# Altium PCB Atom-N.PcbDoc
Units mil, origin at the board's own origin, x right, y up, seen from the top; angles counter-clockwise.
Board outline 1625 x 1370 mil, 2 copper layers (Top1, Bottom2), stack 42.204 mil thick; 47 components, 68 nets, 306 pads, 283 vias.
Unrouted connection lines stored in the file: 72.
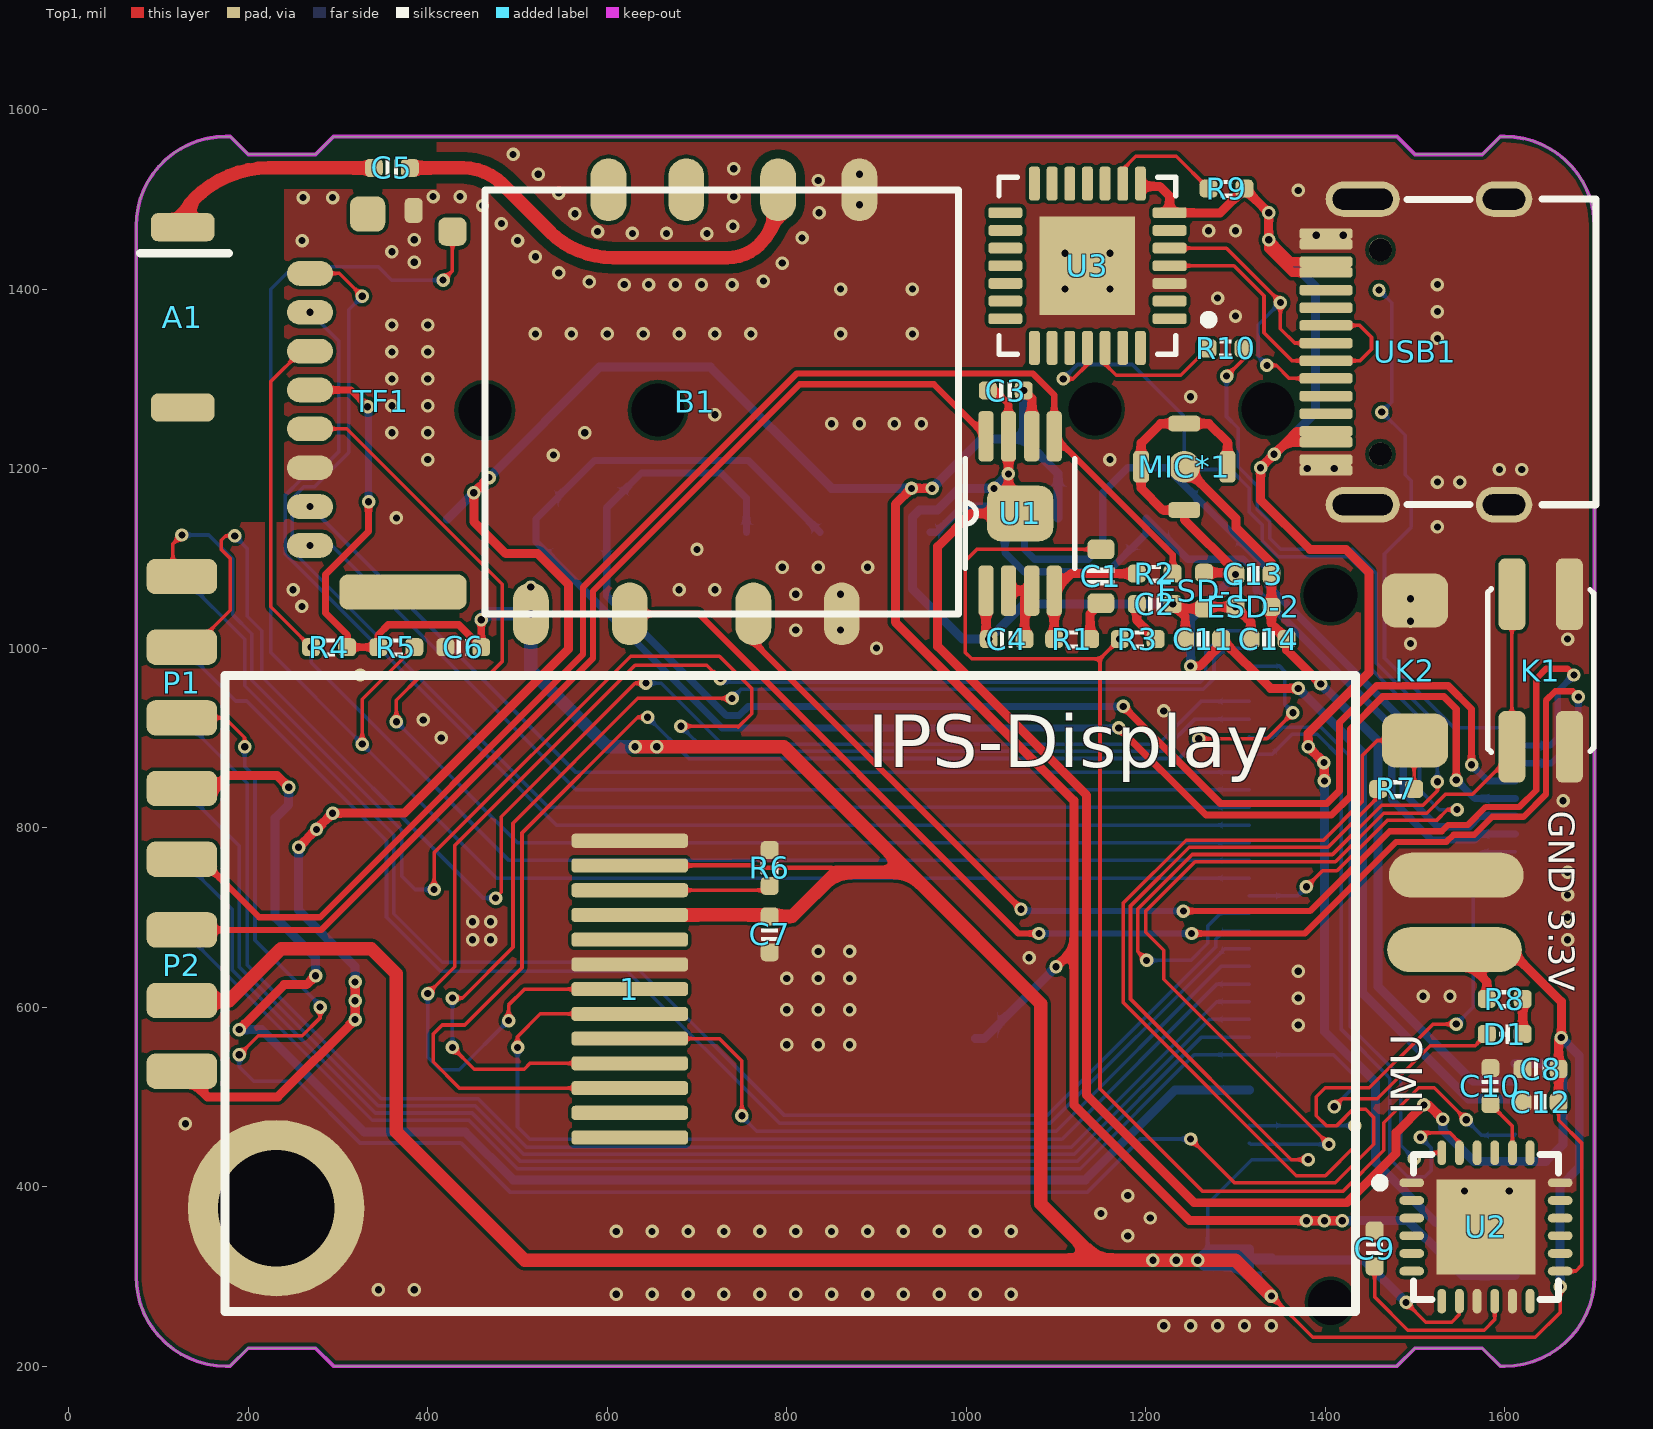
[diagram p0: Top1 view]
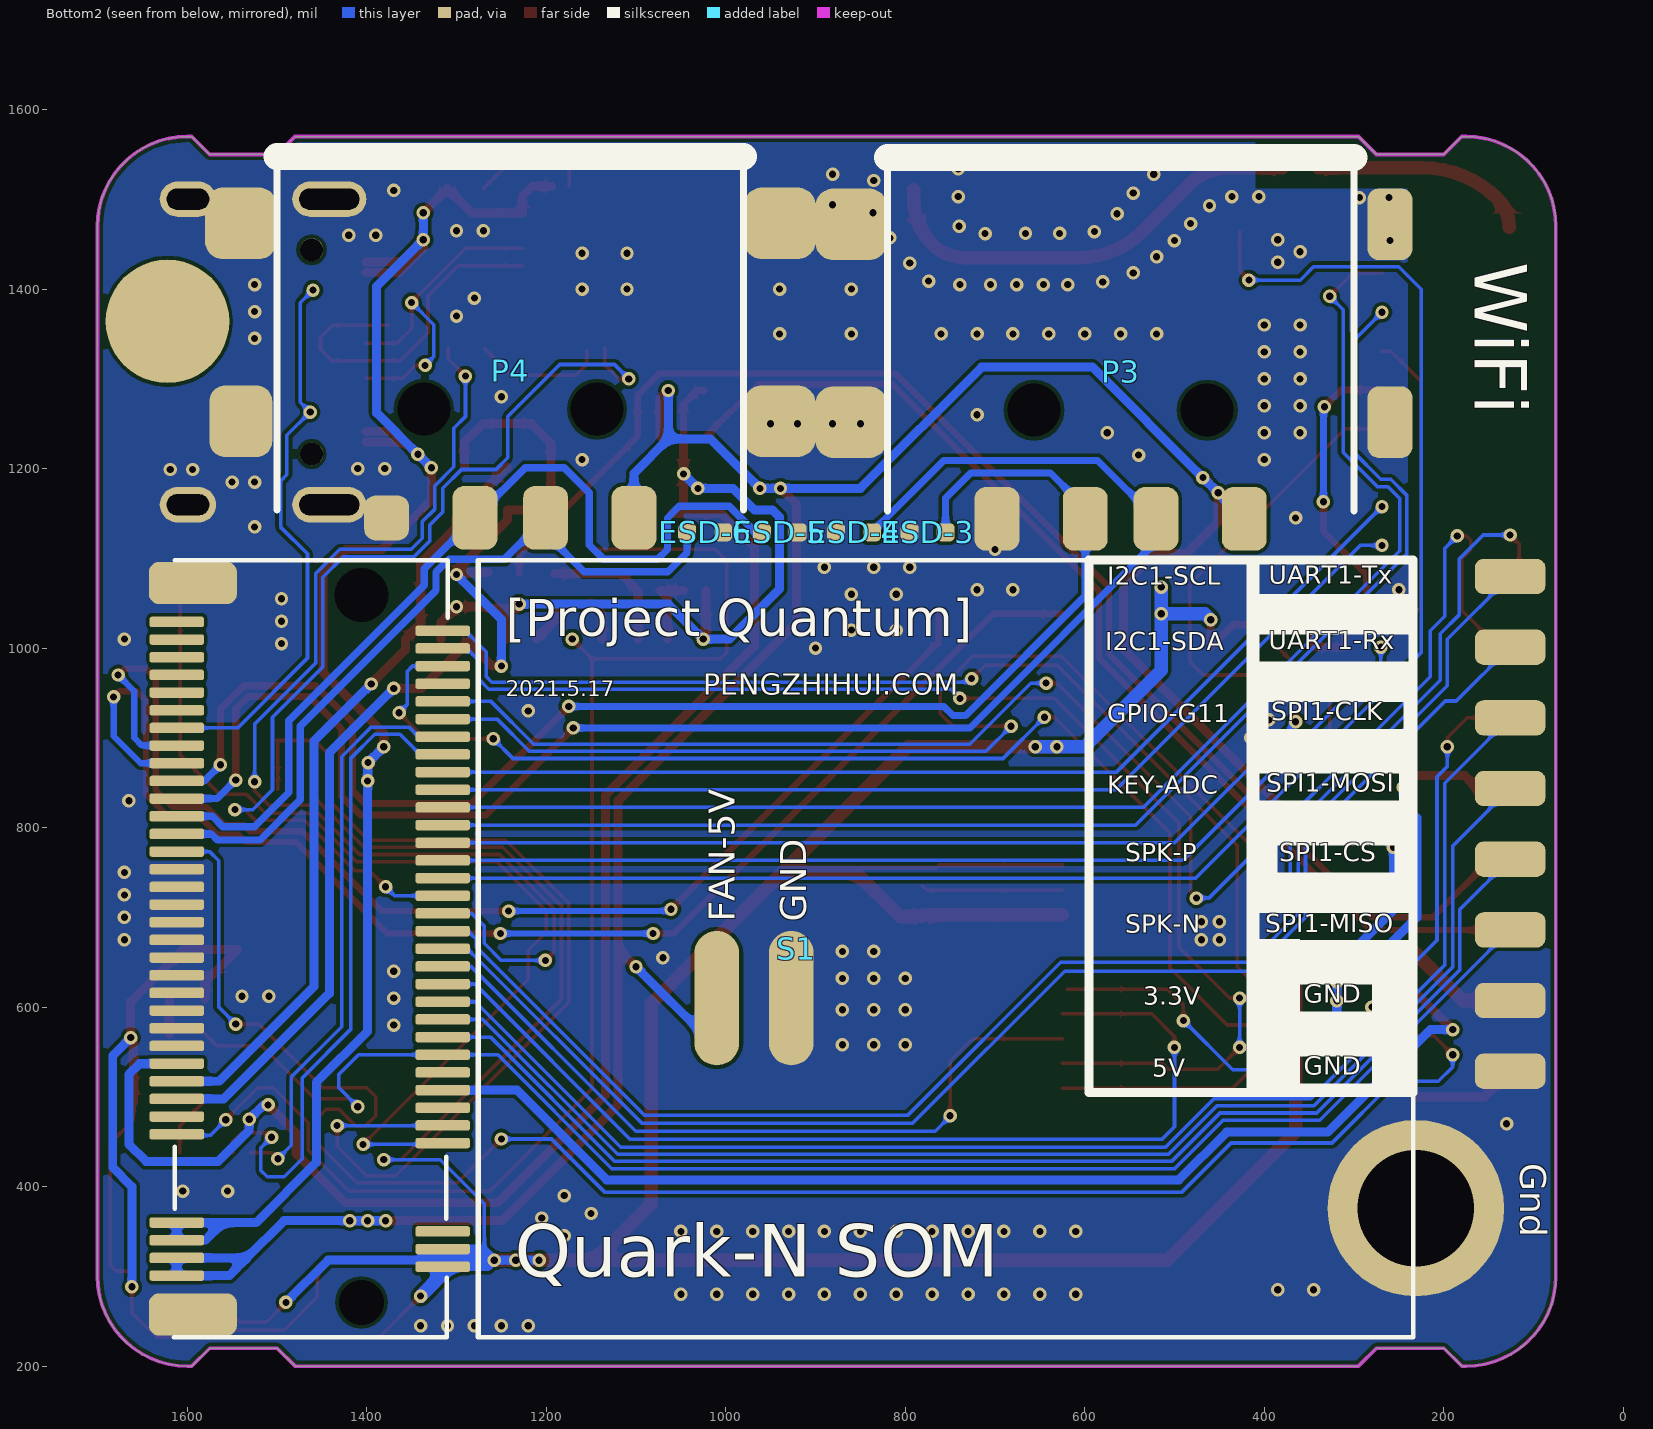
[diagram p1: Bottom2 view, seen from below]
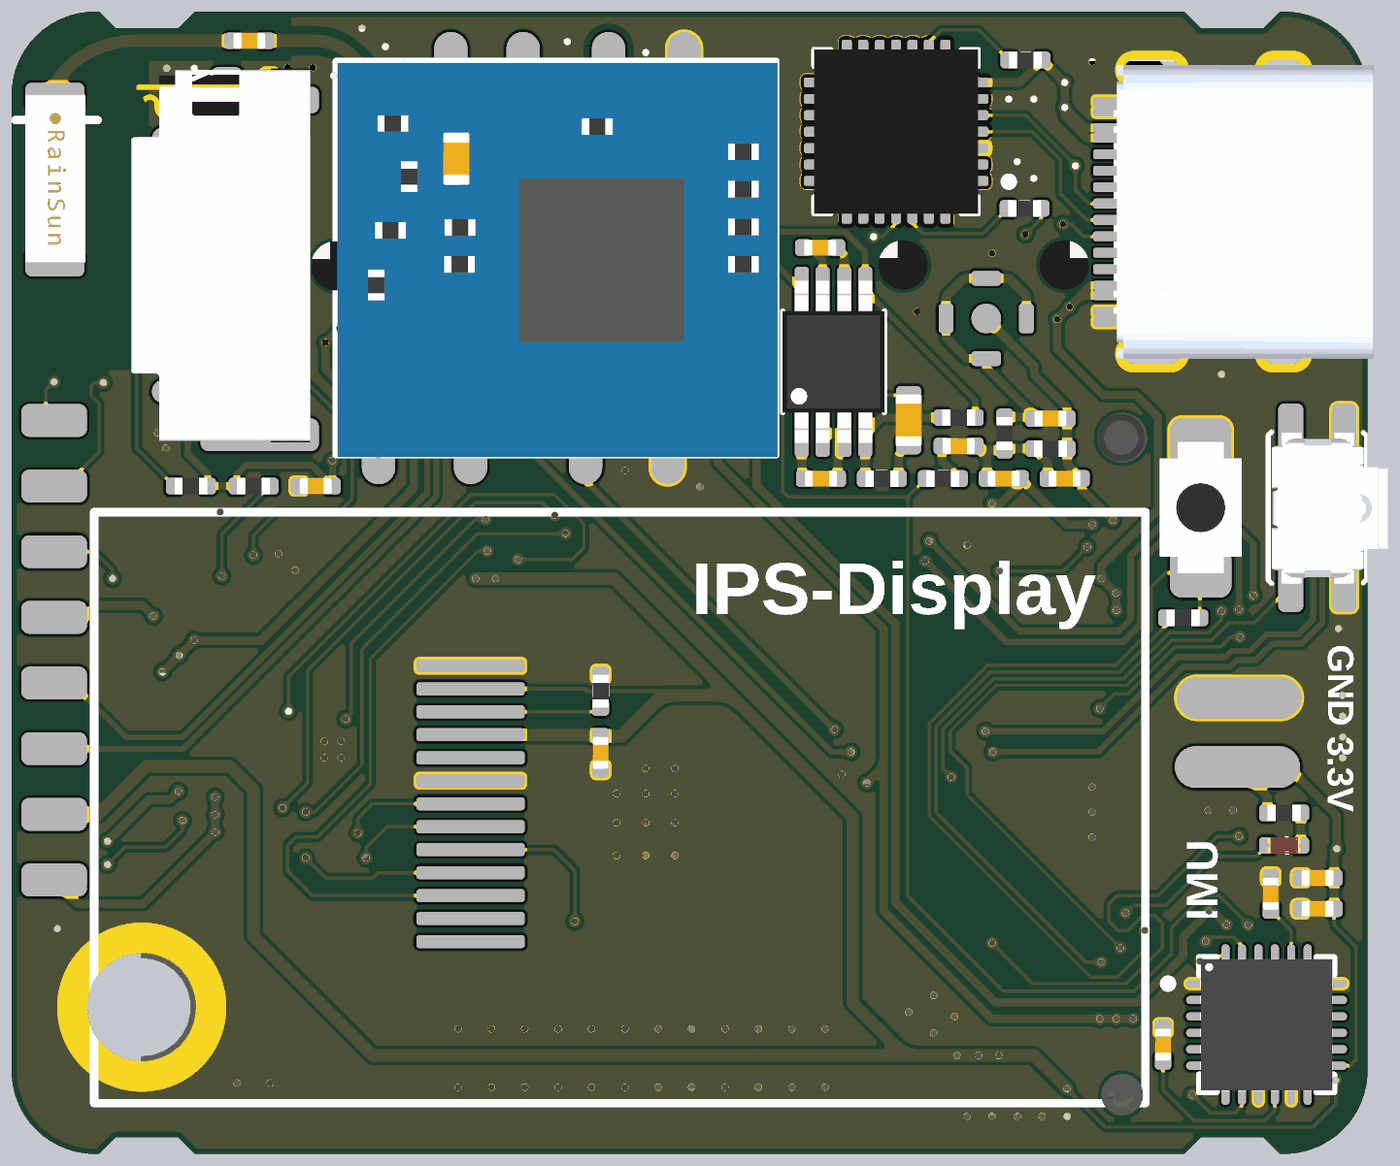
[diagram p2: 3D render of the assembled board from above, using the file's embedded part models]
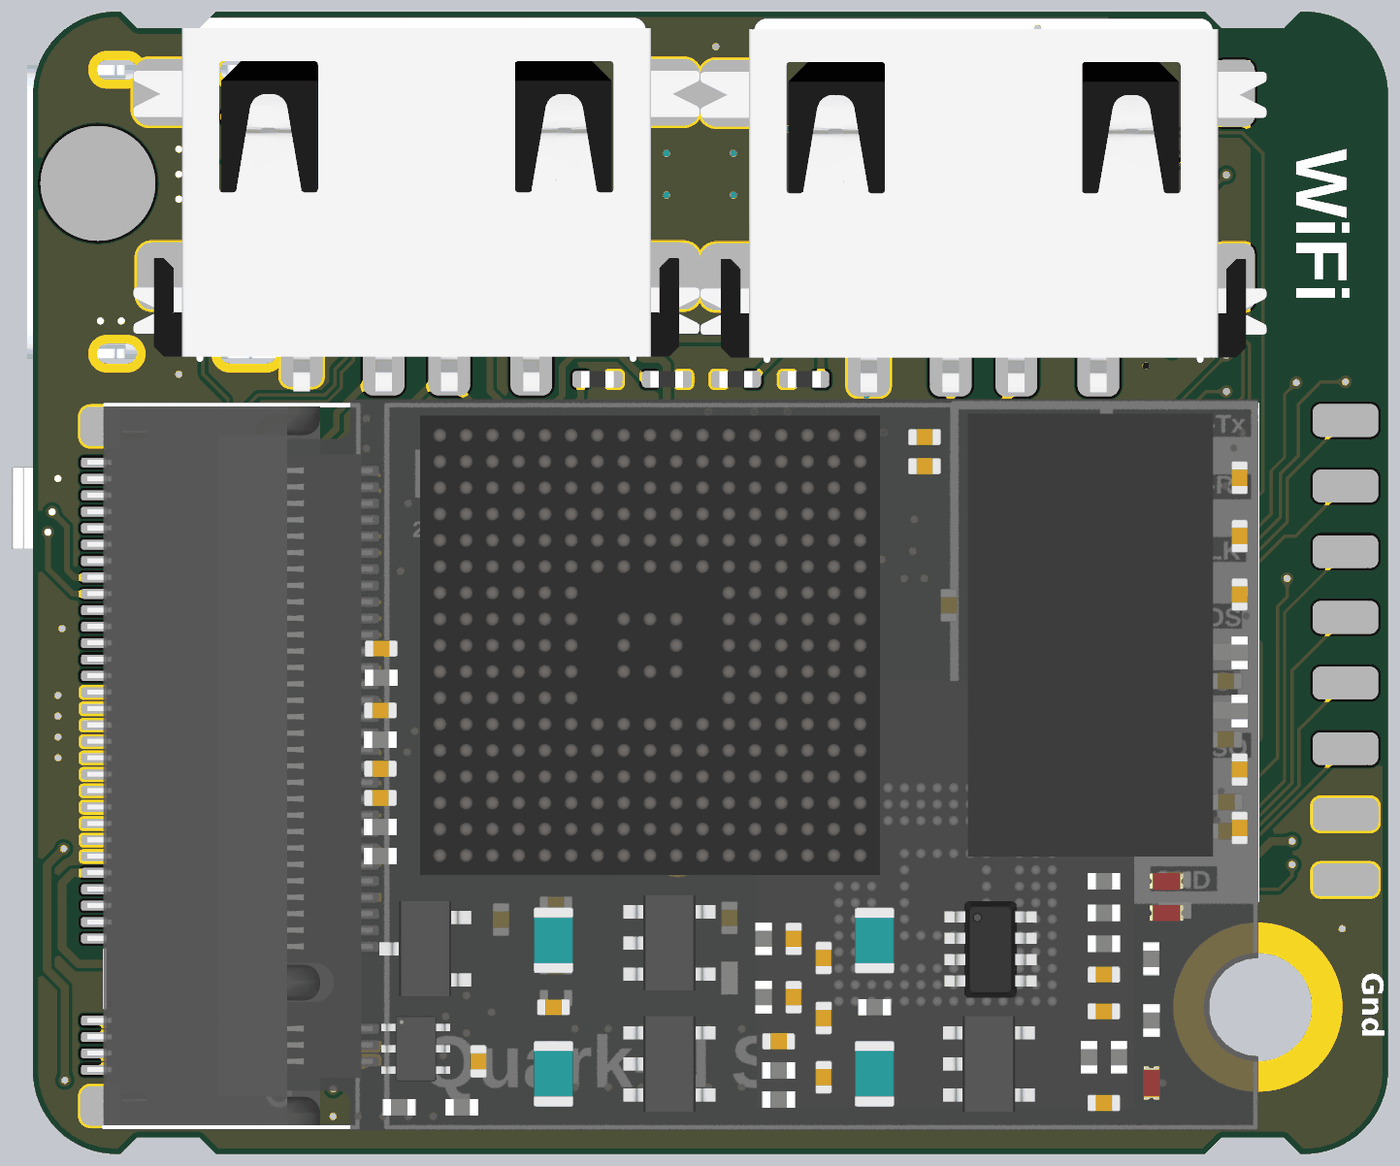
[diagram p3: 3D render of the assembled board from below, using the file's embedded part models]

## Layer stack, top to bottom
Top Solder: solder mask 0.3941, Solder Resist, Dk 3.5
Top1: signal copper 1.4169
Dielectric1: core 39.3701, PP-006, Dk 4.2
Bottom2: signal copper 1.4169
Bottom Solder: solder mask 0.3941, Solder Resist, Dk 3.5

## Board outline
175,200 180,200 200,220 275,220 295,200 1480,200 1500,220 1575,220 1595,200 1600,200 ccw(c1600,300) 1700,300 1700,1470 ccw(c1600,1470) 1600,1570 1595,1570 1575,1550 1500,1550 1480,1570 295,1570 275,1550 200,1550 180,1570 175,1570 ccw(c175,1470) 75,1470 75,300 ccw(c175,300)

## Design rules (kind name [scope] priority, off if disabled: settings)
Clearance Clearance_1 [InNet('NetB1_2') vs InNet('GND')] p1: gap=10 ignorepadtopadclearanceinfootprint=FALSE
Clearance [All] p2: gap=4 ignorepadtopadclearanceinfootprint=FALSE except(0: Arc-Hole Track-Hole SMDPad-Hole THPad-Hole Via-Hole Fill-Hole Poly-Hole Region-Hole Text-Hole)
ComponentClearance [All] p1: gap=0 collisioncheckmode=3 verticalgap=0 showdistances=FALSE
DiffPairsRouting [All] p1: maxlimit=9 minlimit=9 mostfreqgap=9 toplayer_minwidth=15 toplayer_maxwidth=15 toplayer_prefwidth=15 bottomlayer_minwidth=15 bottomlayer_maxwidth=15 bottomlayer_prefwidth=15 maxuncoupledlength=500
FanoutControl Fanout_BGA [All] p1: bgadir=Out bgaviamode=Centered fanoutstyle=Auto fanoutdirection=Alternating viagrid=1 // Fanout_BGA (Default Rule)
HoleSize [All] p1: absolutevalues=TRUE maxlimit=10000 minlimit=8 maxpercent=80.000 minpercent=20.000
MinimumSolderMaskSliver [All] p1 off: minsoldermaskwidth=2
PlaneClearance [All] p1: clearance=8
PlaneConnect [All] p1: planeconnectstyle=Direct reliefexpansion=20 reliefentries=4 reliefconductorwidth=10 reliefairgap=10
PolygonConnect [All] p1: connectstyle=Direct reliefconductorwidth=10 reliefentries=4 polygonreliefangle="90 Angle" airgapwidth=10
RoutingVias [All] p1: holewidth=8 width=16 viastyle="Through Hole" minholewidth=6 minwidth=12 maxholewidth=28 maxwidth=50
SilkToSilkClearance [All] p1: silktosilkclearance=0
SilkToSolderMaskClearance [IsPad] p1: minsilkscreentomaskgap=0 clearancetoexposedcopper=TRUE
SolderMaskExpansion [All] p1: expansion=3 istentingtop=FALSE
Width GND [(InNet('AGND') OR InNet('GND'))] p1: maxlimit=50 minlimit=4 preferedwidth=10
Width VCC [(InNet('VDD_SYS_3.3V') OR InNet('VDD_AV_3.3V') OR InNet('VDD_5V') OR InNet('VDD1V2-SYS') OR InNet('VDD1V1-EPHY') OR InNet('VDD-CPUX') OR InNet('VDD-CPUS') OR InNet('VDD-CPUFB') OR InNet('VCC-DRAM'))] p2: maxlimit=50 minlimit=4 preferedwidth=10
Width [All] p3: maxlimit=10000 minlimit=4 preferedwidth=4
21 further rules are at their usual default settings.

## Classes and differential pairs
component class Atom-N: 1 A1 B1 C1 C2 C3 C4 C5 C6 C7 C8 C9 C10 C14 D1 ESD-1 ESD-2 ESD-3 ESD-4 ESD-5 ESD-6 K1 K2 MIC*1 P1 P2 P3 P4 R1 R2 R3 R4 R5 R6 R7 R10 S1 TF1 U2 U3 USB1

## Components (designator, comment, footprint, x,y, rotation, side; value= is the part's Value field where it differs from the comment)
1 "LCD-240x135" LCD-240x135 625,620 r90 top
A1 "RAINSUN" ANT-Rainsun-AN5120 127,1369 r270 top
B1 "RTL8723BU" USB-WIFI-BT-RTL8723BU 730,1270 r270 top locked
C1 "330nF" 0603-CAP 1150,1080 r90 top value=0.1u
C2 "0.1uF" CAP_0402 1210,1049 r180 top value=0.1u
C3 "10uF" CAP_0402 1044,1287 r0 top value=0.1u
C4 "1uF" CAP_0402 1045,1010 r0 top value=0.1u
C5 "10pF" CAP_0402 360,1535 r0 top value=0.1u
C6 "10uF" CAP_0402 439.57,1001 r0 top value=0.1u
C7 "1uF" CAP_0402 781,681.06 r270 top value=0.1u
C8 "10nF" CAP_0402 1640,531 r180 top value=0.1u
C9 "0.1uF" CAP_0402 1455,331 r90 top value=0.1u
C10 "2.2nF" CAP_0402 1584,512 r270 top value=0.1u
C11 "33pF" CAP_0402 1264,1010 r0 top value=0.1u
C12 "0.1uF" CAP_0402 1640,494 r0 top value=0.1u
C13 "100pF" CAP_0402 1320,1082 r180 top value=0.1u
C14 "33pF" CAP_0402 1337,1010 r0 top value=0.1u
D1 "color?" LED_0402_RED 1600,570 r180 top
ESD-1 "ESD-0402" ESD-0402 1265,1064 r270 top
ESD-2 "ESD-0402" ESD-0402 1320,1046 r0 top
ESD-3 "ESD-0402" ESD-0402 775,1129 r180 bottom
ESD-4 "ESD-0402" ESD-0402 857,1129 r180 bottom
ESD-5 "ESD-0402" ESD-0402 939.8,1129 r0 bottom
ESD-6 "ESD-0402" ESD-0402 1023,1129 r0 bottom
K1 "TACT 4P" ButtonTACT_3.5*3.55_90 1640,975 r270 top value=3.4x3.5
K2 "TACT 2P" ButtonTACT_3x4x2_180 1500,975 r270 top value=3x4
MIC*1 "MIC*" MIC-SMT 1243,1202 r90 top
P1 "HDR2x4_2.54" HDR2X4_2.0_180H 126,1079.74 r0 top
P2 "HDR2x4_2.54" HDR2X4_2.0_180H 126,764.74 r0 top
P3 "USB-A" USB-Short#1 560,1398.9 r90 bottom locked
P4 "USB-A" USB-Short#2 1240,1400 r90 bottom locked
R1 "20K" RES_0402 1118,1010 r180 top value=22R
R2 "75K" RES_0402 1210,1083 r0 top value=22R
R3 "22R" RES_0402 1191,1010 r180 top
R4 "47K" RES_0402 290,1001 r180 top value=22R
R5 "47K" RES_0402 365,1001 r0 top value=22R
R6 "470R" RES_0402 781,755.06 r270 top value=22R
R7 "10K" RES_0402 1479,843 r180 top value=22R
R8 "470R" RES_0402 1600,609 r180 top value=22R
R9 "10K" RES_0402 1290,1512 r180 top value=22R
R10 "200R" RES_0402 1289,1334 r180 top value=22R
S1 "Core" QUANTUM-QUARK-N 1185,665 r90 bottom locked
TF1 "TF" "TF-SOCKET - short" 396,1279 r0 top locked
U1 "LM4871" MSOP-8 1060,1150 r90 top
U2 "MPU6050" QFN-24 1579,355 r0 top
U3 "CP2102" QFN-28 1135,1426 r180 top value=Value
USB1 "Type-C" Type-C-TOP 1500,1330 r0 top locked

## Footprints (in the part's own frame and the unit in brackets; to place one, negate y for a bottom-side part, rotate by r counter-clockwise, add the part's x,y. Pads: shape width x height; smd on the part's side, far side on the other; paste and mask are expansions set on the pad)
0603-CAP [mil]
  rrect50% 22x30 smd: 1(-30,0) 2(30,0)
  silkscreen extent -10,-15 10,15, body extent -31,-16 32,16, height 31
ANT-Rainsun-AN5120 [mm] "选择焊盘"
  rrect50% 0.8x1.8 smd: 1(-2.54,0) ""(2.563,0)
  silkscreen extent -1.8,-1.2 -1.8,1.3, body extent -2.57,-0.91 2.54,0.94, height 1.32
ButtonTACT_3.5*3.55_90 [mil]
  rrect50% 80x30 smd: 1(-85,32) 2(-85,-32) 3(85,32) 4(85,-32)
  silkscreen extent -91,-59 91,59, body extent -90,-55 91,85, height 56
ButtonTACT_3x4x2_180 [mil]
  rrect50% 60x74 smd: 1(-78,0) 2(78,0)
  body extent -79,-49 79,49, height 63
CAP_0402 [mil]
  rrect50% 20x20 smd: 1(-20,0) 2(20,0)
  silkscreen extent -7,-9 7,9, body extent -20,-10 20,10, height 20
ESD-0402 [mil]
  rrect50% 20x20 smd: 1(-20,0) 2(20,0)
  body extent -20,-10 20,10, height 14
HDR2X4_2.0_180H [mm]
  rrect50% 2x1 smd: 1(0,0) 3(0,-2) 5(0,-4) 7(0,-6)
  rrect50% 2x1 smd far side: 2(0,0) 4(0,-2) 6(0,-4) 8(0,-6)
LCD-240x135 [mm]
  rrect50% 0.4x3.302 smd: 1(-4.2,0) 2(-3.5,0) 3(-2.8,0) 4(-2.1,0) 5(-1.4,0) 6(-0.7,0) 7(0,0) 8(0.7,0) 9(1.4,0) 10(2.1,0) 11(2.8,0) 12(3.5,0) 13(4.2,0)
LED_0402_RED [mil]
  rrect50% 20x20 smd: 1(-20,0) 2(20,0)
  silkscreen extent -6,-10 6,10, body extent -20,-10 20,10, height 18
MIC-SMT [mm]
  rrect50% 0.45x0.9 smd: 1(-1.223,0) 1(1.223,0)
  rrect50% 0.9x0.45 smd: 1(0,1.223) 1(0,-1.223)
  round 0.9 smd: 2(0,0)
MSOP-8 [mil]
  rrect50% 56x17 smd: 1(-86,38) 2(-86,13) 3(-86,-13) 4(-86,-38) 5(86,-38) 6(86,-13) 7(86,13) 8(86,38)
  rrect50% 62x74 smd: 9(0,0)
  silkscreen extent -61,-61 61,61, body extent -97,-61 97,61, height 45
QFN-24 [mm] "QFN, 24-Leads, Body 4.1x4.1mm (max), Pitch 0.50mm, IPC Low Density"
  oval 0.7x0.25 smd: 1(-2.1,1.25) 2(-2.1,0.75) 3(-2.1,0.25) 4(-2.1,-0.25) 5(-2.1,-0.75) 6(-2.1,-1.25) 13(2.1,-1.25) 14(2.1,-0.75) 15(2.1,-0.25) 16(2.1,0.25) 17(2.1,0.75) 18(2.1,1.25)
  oval 0.25x0.7 smd: 7(-1.25,-2.1) 8(-0.75,-2.1) 9(-0.25,-2.1) 10(0.25,-2.1) 11(0.75,-2.1) 12(1.25,-2.1) 19(1.25,2.1) 20(0.75,2.1) 21(0.25,2.1) 22(-0.25,2.1) 23(-0.75,2.1) 24(-1.25,2.1)
  rect 2.8x2.7 smd: ""(0,0)
  silkscreen extent -3.12,-2.05 2.05,2.05, body extent -2.02,-2.02 2.02,2.02, height 0.95
QFN-28 [mil]
  rrect50% 38x12 smd mask+5: 1(-91.5,59.06) 2(-91.5,39.37) 3(-91.5,19.68) 4(-91.5,0) 5(-91.5,-19.69) 6(-91.5,-39.37) 7(-91.5,-59.06) 15(91.5,-59.06) 16(91.5,-39.37) 17(91.5,-19.69) 18(91.5,0) 19(91.5,19.68) 20(91.5,39.37) 21(91.5,59.06)
  rrect50% 12x38 smd mask+5: 8(-59.06,-91.5) 9(-39.37,-91.5) 10(-19.69,-91.5) 11(0,-91.5) 12(19.68,-91.5) 13(39.37,-91.5) 14(59.06,-91.5) 22(59.06,91.5) 23(39.37,91.5) 24(19.68,91.5) 25(0,91.5) 26(-19.69,91.5) 27(-39.37,91.5) 28(-59.06,91.5)
  rect 106.3x110.24 smd: 29(0,0)
  silkscreen extent -140,-99 99,99, body extent -99,-99 98,98, height 35
QUANTUM-QUARK-N [mm] "NGFF_M_2"
  rrect50% 1.2x2.5 smd: 0(-10.35,10.38) 0(10.35,10.38)
  round 5 hole 3.3: 0(-7.341,-24.232)
  rrect50% 0.3x1.55 smd: 1(-9.25,10.837) 2(-9,3.313) 3(-8.75,10.837) 4(-8.5,3.313) 5(-8.25,10.837) 6(-8,3.313) 7(-7.75,10.837) 16(-5.5,3.313) 17(-5.25,10.837) 18(-5,3.313) 19(-4.75,10.837) 20(-4.5,3.313) 21(-4.25,10.837) 22(-4,3.313) 23(-3.75,10.837) 24(-3.5,3.313) 25(-3.25,10.837) 26(-3,3.313) 27(-2.75,10.837) 28(-2.5,3.313) 29(-2.25,10.837) 30(-2,3.313) 31(-1.75,10.837) 32(-1.5,3.313) 33(-1.25,10.837) 34(-1,3.313) 35(-0.75,10.837) 36(-0.5,3.313) 37(-0.25,10.837) 38(0,3.313) 39(0.25,10.837) 40(0.5,3.313) 41(0.75,10.837) 42(1,3.313) 43(1.25,10.837) 44(1.5,3.313) 45(1.75,10.837) 46(2,3.313) 47(2.25,10.837) 48(2.5,3.313) 49(2.75,10.837) 50(3,3.313) 51(3.25,10.837) 52(3.5,3.313) 53(3.75,10.837) 54(4,3.313) 55(4.25,10.837) 56(4.5,3.313) 57(4.75,10.837) 58(5,3.313) 59(5.25,10.837) 60(5.5,3.313) 61(5.75,10.837) 62(6,3.313) 63(6.25,10.837) 64(6.5,3.313) 65(6.75,10.837) 66(7,3.313) 67(7.25,10.837) 68(7.5,3.313) 69(7.75,10.837) 70(8,3.313) 71(8.25,10.837) 72(8.5,3.313) 73(8.75,10.837) 74(9,3.313) 75(9.25,10.837)
  round 0.6 hole 1.524 unplated: MH1(10.008,5.613)
  round 0.6 hole 1.27 unplated: MH2(-10.008,5.613)
  silkscreen extent -11,-24.16 11,10.92, body extent -11.1,-24.25 11.18,11.43, height 3.85
RES_0402 [mil]
  rrect50% 20x20 smd: 1(-20,0) 2(20,0)
  silkscreen extent -7,-10 7,10, body extent -20,-10 20,10, height 14
"TF-SOCKET - short" [mm]
  oval 1.3x0.7 smd: 1(-3.231,3.518) 2(-3.231,2.418) 3(-3.231,1.318) 4(-3.231,0.218) 5(-3.231,-0.882) 6(-3.231,-1.982) 7(-3.231,-3.082) 8(-3.231,-4.182)
  rrect50% 0.8x0.8 smd: 9(0.8,4.7)
  rrect50% 0.5x0.7 smd: 10(-0.3,5.3)
  rrect50% 1x1 smd: ""(-1.6,5.2)
  rrect50% 3.6x1 smd: ""(-0.6,-5.5)
  body extent -4.51,-5.74 0.94,5.66, height 2.27
Type-C-TOP [mm]
  round 0.65 hole 0.65: 0(-0.98,-2.89) 0(-0.98,2.89)
  oval 1.6x1 hole 0.6 slot 1.2 at 0 deg: 1(2.52,4.325) 2(2.52,-4.325)
  oval 2.1x1 hole 0.6 slot 1.7 at 0 deg: 3(-1.48,-4.325) 4(-1.48,4.325)
  rrect50% 1.5x0.3 smd: A1(-2.52,-3.35) A4(-2.52,-2.55) A5(-2.52,-1.25) A6(-2.52,-0.25) A7(-2.52,0.25) A8(-2.52,1.25) A9(-2.52,2.55) A12(-2.52,3.35) B1(-2.52,3.05) B4(-2.52,2.25) B5(-2.52,1.75) B6(-2.52,0.75) B7(-2.52,-0.75) B8(-2.52,-1.75) B9(-2.52,-2.25) B12(-2.52,-3.05)
  silkscreen extent -0.22,-4.33 5.12,4.33, body extent -2.64,-4.48 5.26,4.46, height 3.28
USB-Short#1 [mm]
  rrect50% 2.032x1.27 smd: 0(-3.738,-7.625) 0(1.862,-7.625)
  rrect50% 2.032x2.032 smd: 0(-3.738,7.625) 0(1.862,7.625)
  rrect50% 1.8x1.27 smd: 1(-6.476,-3.5) 2(-6.476,-1) 3(-6.476,1) 4(-6.476,3.5)
  round 0.6 hole 1.5 unplated: MH1(-3.4,2.45) MH2(-3.4,-2.45)
  silkscreen extent -6.25,-6.6 3.75,6.6, body extent -7.25,-8.62 3.81,8.62, height 6.4
USB-Short#2 [mm]
  rrect50% 2.032x2.032 smd: 0(-3.738,-7.625) 0(1.862,-7.625) 0(1.862,7.625)
  rrect50% 2.032x1.778 smd: 0(-3.738,7.625)
  rrect50% 1.8x1.27 smd: 1(-6.476,-3.5) 2(-6.476,-1) 3(-6.476,1)
  rrect50% 1.27x1.27 smd: 4(-6.476,3.5)
  round 0.6 hole 1.5 unplated: MH1(-3.4,2.45) MH2(-3.4,-2.45)
  silkscreen extent -6.25,-6.6 3.75,6.6, body extent -7.25,-8.62 3.81,8.62, height 6.4